# Altium PCB emg_version22.PcbDoc
Units mm, origin at the board's own origin, x right, y up, seen from the top; angles counter-clockwise.
Board outline 108.9 x 107.9 mm, 2 copper layers (Top Layer, Bottom Layer); 125 components, 76 nets, 424 pads, 74 vias.
Unrouted connection lines stored in the file: 91.
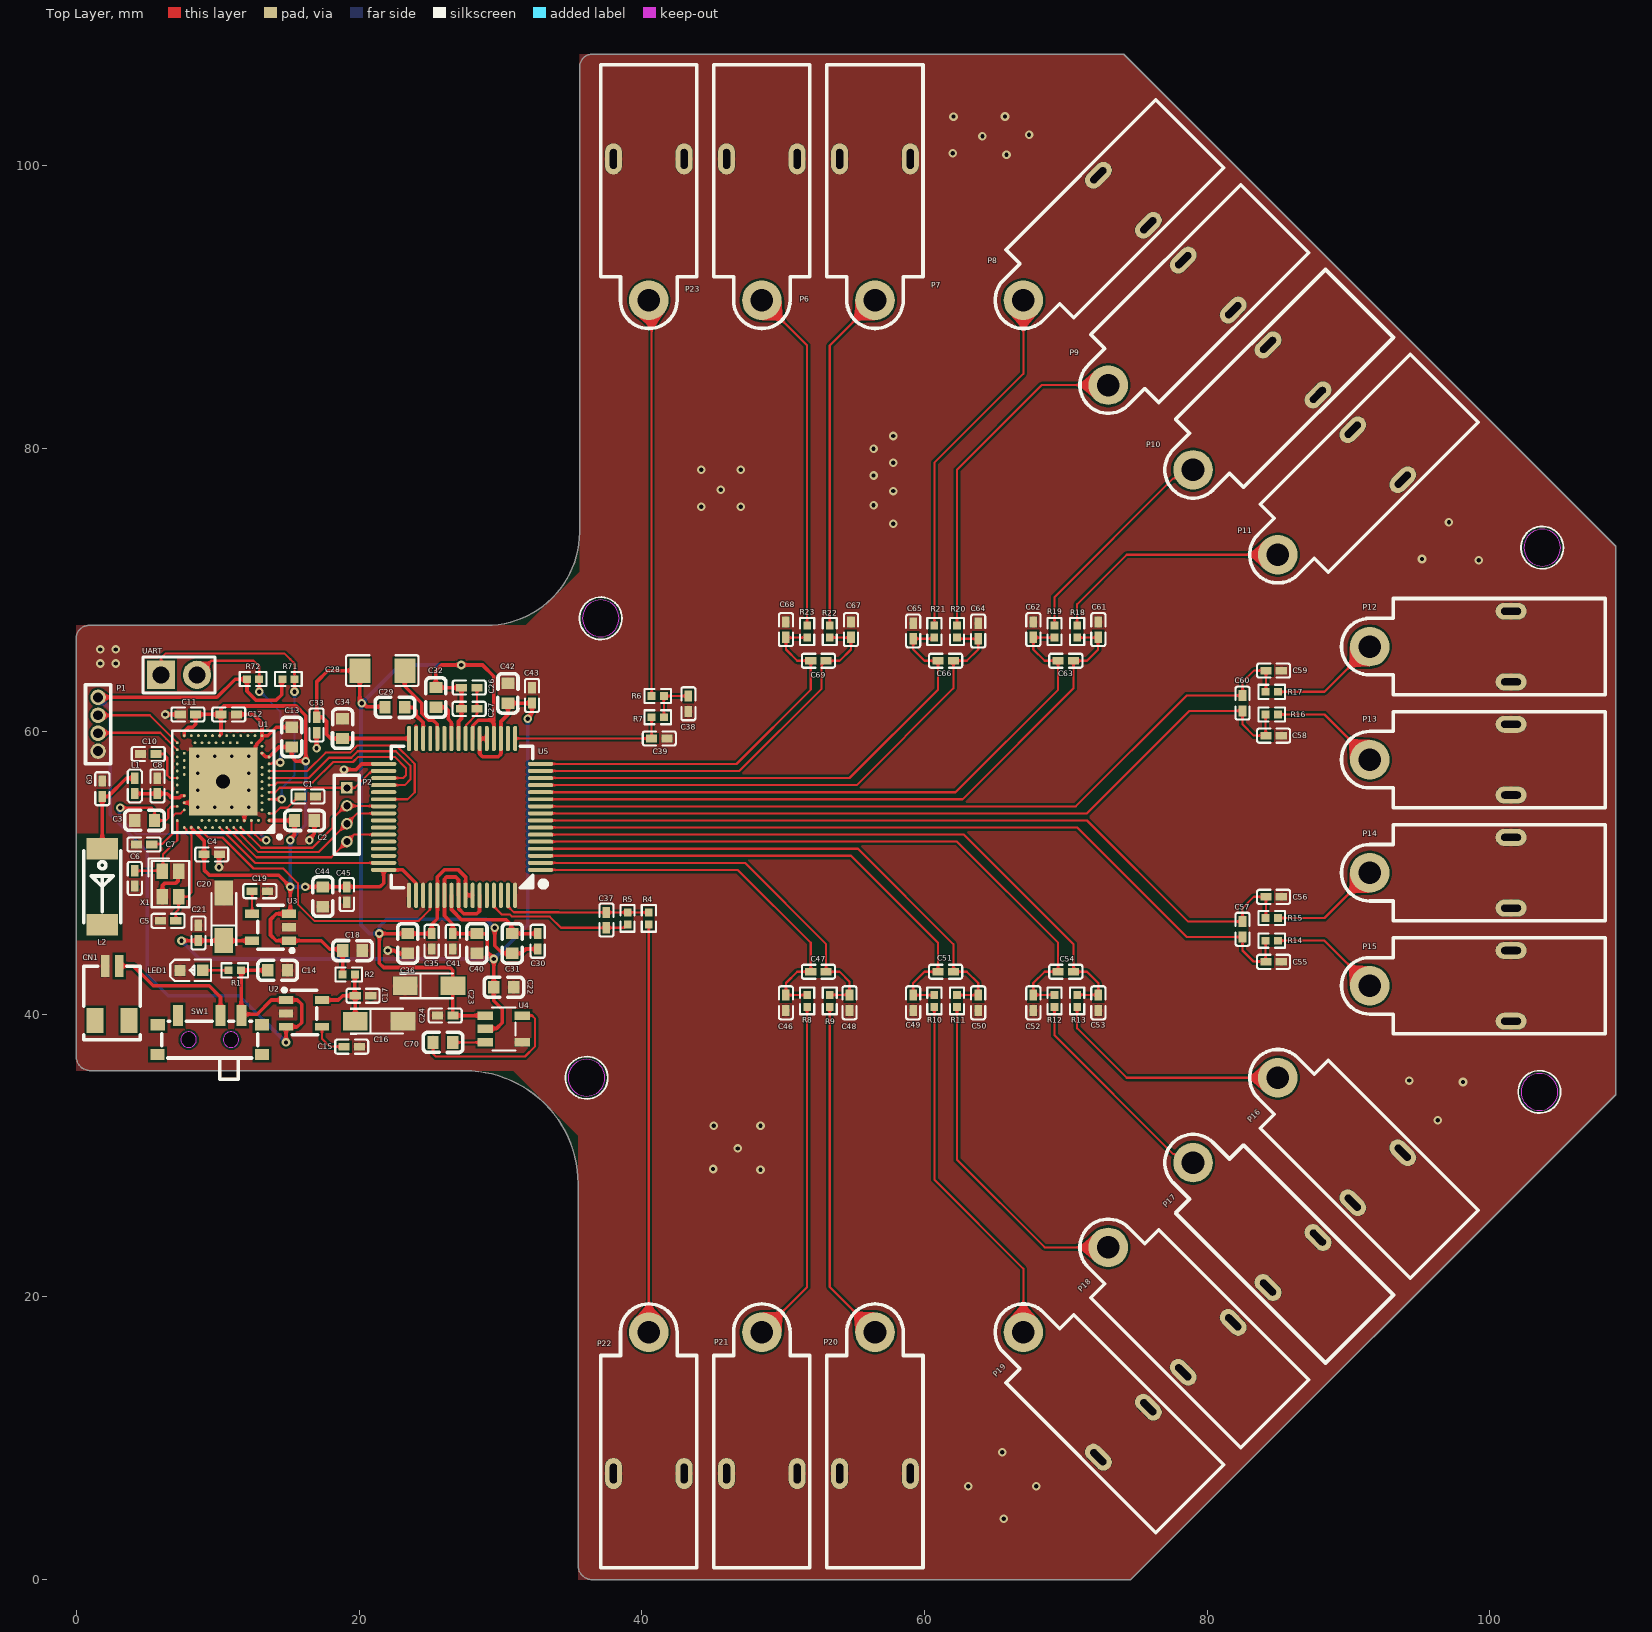
[diagram p0: Top Layer view]
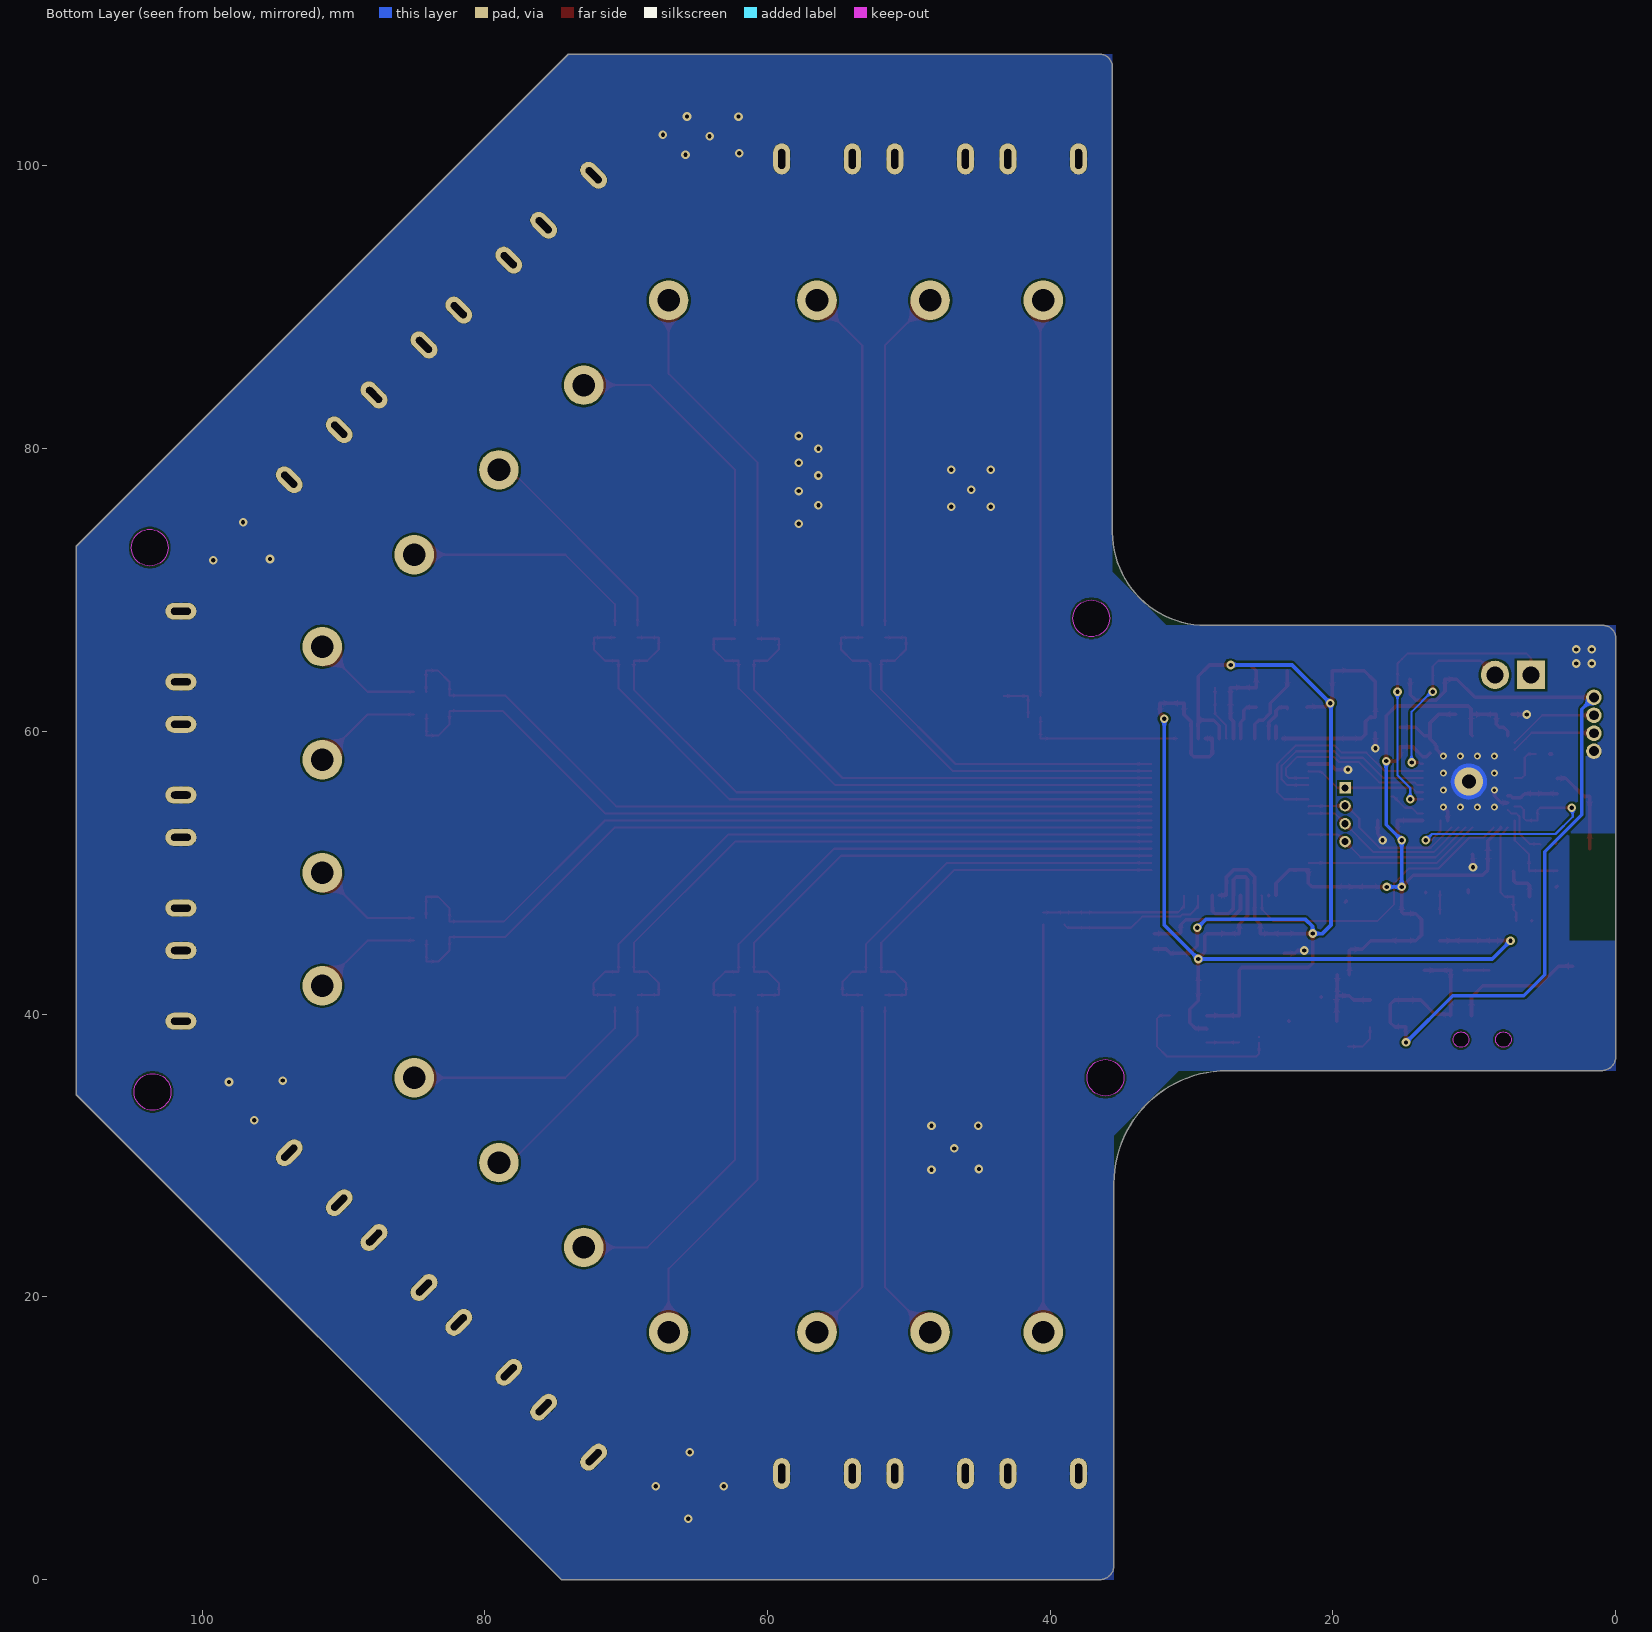
[diagram p1: Bottom Layer view, seen from below]

## Layer stack, top to bottom
Top Solder: solder mask 0.0102, Solder Resist, Dk 3.5
Top Layer: signal copper 0.0356
Dielectric 1: dielectric 0.32, FR-4, Dk 4.8
Bottom Layer: signal copper 0.0356
Bottom Solder: solder mask 0.0102, Solder Resist, Dk 3.5

## Board outline
1,36 27.5,36 cw(c27.5,28) 35.5,28 35.5,1 ccw(c36.5,1) 36.5,0 74.6,0 108.9,34.3 108.9,73.1 74.1,107.9 36.5,107.9 ccw(c36.5,107) 35.6,107 35.6,74.1 cw(c29,74.1) 29,67.5 0.9,67.5 ccw(c0.9,66.6) 0,66.6 0,37 ccw(c1,37)
cut-out: 102.2,34.5 ccw(c103.5,34.5) 103.5,33.2 ccw(c103.5,34.5) 104.8,34.5 ccw(c103.5,34.5) 103.5,35.8 ccw(c103.5,34.5)
cut-out: 102.4,73 ccw(c103.7,73) 103.7,71.7 ccw(c103.7,73) 105,73 ccw(c103.7,73) 103.7,74.3 ccw(c103.7,73)
cut-out: 35.8,68 ccw(c37.1,68) 37.1,66.7 ccw(c37.1,68) 38.4,68 ccw(c37.1,68) 37.1,69.3 ccw(c37.1,68)
cut-out: 34.8,35.5 ccw(c36.1,35.5) 36.1,34.2 ccw(c36.1,35.5) 37.4,35.5 ccw(c36.1,35.5) 36.1,36.8 ccw(c36.1,35.5)

## Design rules (kind name [scope] priority, off if disabled: settings)
Clearance [All] p1: gap=0.152 ignorepadtopadclearanceinfootprint=TRUE
PlaneClearance [All] p1: clearance=0.203
PlaneConnect [All] p1: planeconnectstyle=Direct reliefexpansion=0.508 reliefentries=4 reliefconductorwidth=0.254 reliefairgap=0.254
PolygonConnect PolygonConnect_9 [All vs IsNamedPolygon('GND_L01_P000')] p1: connectstyle=Relief reliefconductorwidth=0.254 reliefentries=4 polygonreliefangle="90 Angle" airgapwidth=0.254
PolygonConnect PolygonConnect_8 [All vs IsNamedPolygon('NONET_L02_P000')] p2: connectstyle=Relief reliefconductorwidth=0.254 reliefentries=4 polygonreliefangle="90 Angle" airgapwidth=0.254
PolygonConnect PolygonConnect_7 [All vs IsNamedPolygon('GND_L01_P001')] p3: connectstyle=Relief reliefconductorwidth=0.254 reliefentries=4 polygonreliefangle="90 Angle" airgapwidth=0.254
PolygonConnect PolygonConnect_6 [All vs IsNamedPolygon('GND_L01_P001')] p4: connectstyle=Relief reliefconductorwidth=0.254 reliefentries=4 polygonreliefangle="90 Angle" airgapwidth=0.254
PolygonConnect PolygonConnect_5 [All vs IsNamedPolygon('GND_L01_P001')] p5: connectstyle=Relief reliefconductorwidth=0.254 reliefentries=4 polygonreliefangle="90 Angle" airgapwidth=0.254
PolygonConnect PolygonConnect_4 [All vs IsNamedPolygon('GND_L01_P001')] p6: connectstyle=Direct reliefconductorwidth=0.254 reliefentries=4 polygonreliefangle="90 Angle" airgapwidth=0.254
PolygonConnect PolygonConnect_3 [All vs IsNamedPolygon('NONET_L02_P000')] p7: connectstyle=Direct reliefconductorwidth=0.254 reliefentries=4 polygonreliefangle="90 Angle" airgapwidth=0.254
PolygonConnect PolygonConnect_2 [All vs IsNamedPolygon('NONET_L02_P000')] p8: connectstyle=Direct reliefconductorwidth=0.254 reliefentries=4 polygonreliefangle="90 Angle" airgapwidth=0.254
PolygonConnect PolygonConnect_1 [All vs IsNamedPolygon('GND_L01_P001')] p9: connectstyle=Direct reliefconductorwidth=0.254 reliefentries=4 polygonreliefangle="90 Angle" airgapwidth=0.254
PolygonConnect [IsVia] p10: connectstyle=Direct reliefconductorwidth=0.254 reliefentries=4 polygonreliefangle="90 Angle" airgapwidth=0.254
RoutingVias [All] p1: holewidth=0.305 width=0.61 viastyle="Through Hole" minholewidth=0.305 minwidth=0.61 maxholewidth=0.305 maxwidth=0.61
SilkToSolderMaskClearance [IsPad] p1: minsilkscreentomaskgap=0.051 clearancetoexposedcopper=TRUE
SolderMaskExpansion [IsVia] p1: expansion=0.102 istentingtop=TRUE
Width Width_pwr [InNetClass('power')] p1: maxlimit=1.27 minlimit=0.254 preferedwidth=0.254
Width [All] p2: maxlimit=1.27 minlimit=0.152 preferedwidth=0.152
27 further rules are at their usual default settings.

## Classes and differential pairs
net class power: 2.5V_AVDD 3.3V_A 3.3V_D -2.5V_AVSS GND NetC8_1 NetCN1_2 RF VCAP1 VCAP2 VCAP3 VCAP4 VCC
component class emg_1023: C1 C2 C3 C4 C5 C6 C7 C8 C9 C10 C11 C13 C14 C15 C16 C17 C18 C19 C20 C21 C22 C23 C24 C26 C27 C28 C29 C30 C31 C33 C34 C35 C36 C40 C41 C42 C43 C44 C45 C70 CN1 L1 L2 LED1 R1 R2 R71 R72 SW1 U2 U3 U4 UART X1

## Components (designator, comment, footprint, x,y, rotation, side; value= is the part's Value field where it differs from the comment)
C1 "100nF" C0402_100NF 16.385,55.4 r180 top
C2 "1uF" C0603_1uF 16.14,53.7 r180 top
C3 "1uF" C0603_1uF 4.84,53.7 r0 top
C4 "100nF" ? 9.585,51.3 r180 top
C5 "12pF" C0402_12pF 6.495,46.6 r180 top
C6 "12pF" C0402_12pF 4.14,49.6 r270 top
C7 "100pF" C0402_100pF 4.795,52 r180 top
C8 "0.8pF" C0402_0.8pF 5.74,56.145 r90 top
C9 "0.5pF" C0402_0.5pF 1.84,55.945 r90 top
C10 "820pF" C0402_820pF 5.095,58.4 r0 top
C11 "100nF" C0402_100NF 7.895,61.2 r0 top
C12 "100nF" C0402_100NF 10.785,61.2 r180 top
C13 "4.7uF" C0603_4.7uF 15.24,59.6 r270 top
C14 "1uF" C0603_1uF 14.24,43.1 r180 top
C15 "470pF" C0402_470PF 19.485,37.7 r180 top
C16 "16uF/16V" tC10uF/16V 21.426,39.5 r0 top value=10uF
C17 "100nF" C0402_100NF 20.285,41.3 r180 top
C18 "1uF" C0603_1uF 19.54,44.5 r180 top
C19 "470pF" C0402_470PF 12.985,48.7 r180 top
C20 "16uF/16V" tC10uF/16V 10.44,46.886 r90 top value=10uF
C21 "100nF" C0402_100NF 8.64,45.745 r270 top
C22 "1uF" C0603_1uF 30.24,41.9 r180 top
C23 "16uF/16V" tC10uF/16V 24.954,42 r0 top value=10uF
C24 "100nF" C0402_100NF 26.095,39.9 r0 top
C26 "100nF" C0402_100NF 27.795,63.1 r180 top
C27 "10uF" C0402_10UF 27.795,61.6 r180 top
C28 "100uF" C1206_100uF 21.647,64.3 r180 top
C29 "1uF" C0603_1uF 22.54,61.7 r180 top
C30 "100nF" C0402_100NF 32.64,45.155 r270 top
C31 "1uF" C0603_1uF 30.84,45 r270 top
C32 "1uF" C0603_1uF 25.44,62.4 r90 top
C33 "100nF" C0402_100NF 17,60.455 r270 top
C34 "1uF" C0603_1uF 18.84,60.2 r90 top
C35 "100nF" C0402_100NF 25.14,45.155 r270 top
C36 "1uF" C0603_1uF 23.44,45 r270 top
C37 "10nF" C0402_10nF 37.5,46.655 r270 top
C38 "100nF" C0402_100NF 43.3,61.955 r90 top
C39 "100nF" C0402_100NF 41.245,59.5 r180 top
C40 "1uF" C0603_1uF 28.34,45 r270 top
C41 "100nF" C0402_100NF 26.64,45.155 r270 top
C42 "1uF" C0603_1uF 30.54,62.7 r90 top
C43 "100nF" C0402_100NF 32.24,62.545 r90 top
C44 "1uF" C0603_1uF 17.44,48.3 r270 top
C45 "100nF" C0402_100NF 19.14,48.455 r270 top
C46 "100nF" C0402_100NF 50.2,40.8 r270 top
C47 "100nF" C0402_100NF 52.5,43 r180 top
C48 "100nF" C0402_100NF 54.7,40.8 r270 top
C49 "100nF" C0402_100NF 59.2,40.8 r270 top
C50 "100nF" C0402_100NF 63.8,40.8 r270 top
C51 "100nF" C0402_100NF 61.5,43 r180 top
C52 "100nF" C0402_100NF 67.7,40.8 r270 top
C53 "100nF" C0402_100NF 72.3,40.8 r270 top
C54 "100nF" C0402_100NF 70,43 r180 top
C55 "100nF" C0402_100NF 84.7,43.7 r0 top
C56 "100nF" C0402_100NF 84.7,48.3 r0 top
C57 "100nF" C0402_100NF 82.5,46 r270 top
C58 "100nF" C0402_100NF 84.7,59.7 r0 top
C59 "100nF" C0402_100NF 84.7,64.3 r0 top
C60 "100nF" C0402_100NF 82.5,62 r270 top
C61 "100nF" C0402_100NF 72.3,67.2 r90 top
C62 "100nF" C0402_100NF 67.7,67.2 r90 top
C63 "100nF" C0402_100NF 70,65 r0 top
C64 "100nF" C0402_100NF 63.8,67.1 r90 top
C65 "100nF" C0402_100NF 59.2,67.1 r90 top
C66 "100nF" C0402_100NF 61.5,65 r0 top
C67 "100nF" C0402_100NF 54.8,67.2 r90 top
C68 "100nF" C0402_100NF 50.2,67.2 r90 top
C69 "100nF" C0402_100NF 52.5,65 r0 top
C70 "1uF" C0603_1uF 25.94,38 r180 top
CN1 "A1002WR-S-2P" CONN-SMD_A1002WR-S-2P 2.539,41.476 r0 top
L1 "4.7nH" L0402_4.7nH 4.14,56.145 r90 top
L2 "AN2051-245" ANT2051 1.84,49.01 r270 top
LED1 "XL-1608UBC-04" LED0603-RD_BLUE 8.141,43.097 r0 top
P1 "Jlink Debug-pin4" "jlink pin-4 - duplicate - duplicate" -41.005,80.698 r270 top
P2 "SPI_4Pin" SPI_4pin 61.685,33.912 r90 top
P6 "EEG_WireSocket_DIN1.5" holter 43.5,102 r90 top
P7 "EEG_WireSocket_DIN1.5" holter 51.5,102 r90 top
P8 "EEG_WireSocket_DIN1.5" holter 71.596,102.167 r45 top
P9 "EEG_WireSocket_DIN1.5" holter 77.596,96.167 r45 top
P10 "EEG_WireSocket_DIN1.5" holter 83.596,90.167 r45 top
P11 "EEG_WireSocket_DIN1.5" holter 89.596,84.167 r45 top
P12 "EEG_WireSocket_DIN1.5" holter 103,71 r0 top
P13 "EEG_WireSocket_DIN1.5" holter 103,63 r0 top
P14 "EEG_WireSocket_DIN1.5" holter 103,55 r0 top
P15 "EEG_WireSocket_DIN1.5" holter 103,47 r0 top
P16 "EEG_WireSocket_DIN1.5" holter 96.667,30.904 r315 top
P17 "EEG_WireSocket_DIN1.5" holter 90.667,24.904 r315 top
P18 "EEG_WireSocket_DIN1.5" holter 84.667,18.904 r315 top
P19 "EEG_WireSocket_DIN1.5" holter 78.667,12.904 r315 top
P20 "EEG_WireSocket_DIN1.5" holter 61.5,6 r270 top
P21 "EEG_WireSocket_DIN1.5" holter 53.5,6 r270 top
P22 "EEG_WireSocket_DIN1.5" holter 45.5,6 r270 top
P23 "EEG_WireSocket_DIN1.5" holter 35.5,102 r90 top
R1 "1k" R0402_1K 11.207,43.1 r180 top value=1kΩ
R2 "0" R0402_0 19.273,42.8 r0 top value=0Ω
R4 "100k" R0402_100k 40.5,46.767 r90 top value=100kΩ
R5 "392k" R0402_392k 39,46.767 r270 top value=392kΩ
R6 "2k" R0402_2k 41.133,62.5 r0 top value=2kΩ
R7 "2k" R0402_2k 41.133,61 r180 top value=2kΩ
R8 "2k" R0402_2k 51.7,40.933 r90 top value=2kΩ
R9 "2k" R0402_2k 53.3,40.933 r90 top value=2kΩ
R10 "2k" R0402_2k 60.7,40.933 r90 top value=2kΩ
R11 "2k" R0402_2k 62.3,40.933 r90 top value=2kΩ
R12 "2k" R0402_2k 69.2,40.933 r90 top value=2kΩ
R13 "2k" R0402_2k 70.8,40.933 r90 top value=2kΩ
R14 "2k" R0402_2k 84.567,45.2 r180 top value=2kΩ
R15 "2k" R0402_2k 84.567,46.8 r180 top value=2kΩ
R16 "2k" R0402_2k 84.567,61.2 r180 top value=2kΩ
R17 "2k" R0402_2k 84.567,62.8 r180 top value=2kΩ
R18 "2k" R0402_2k 70.8,67.067 r270 top value=2kΩ
R19 "2k" R0402_2k 69.2,67.067 r270 top value=2kΩ
R20 "2k" R0402_2k 62.3,67.067 r270 top value=2kΩ
R21 "2k" R0402_2k 60.7,67.067 r270 top value=2kΩ
R22 "2k" R0402_2k 53.3,67.067 r270 top value=2kΩ
R23 "2k" R0402_2k 51.7,67.067 r270 top value=2kΩ
R71 "1k" R0402_1K 15.007,63.7 r0 top value=1kΩ
R72 "1k" R0402_1K 12.507,63.7 r0 top value=1kΩ
SW1 "SWITCH" SW-SMD_MSS3-V-T-R 9.45,38.525 r0 top
U1 "NRF52840_QIAA WITH LOGO" "NRF52840_QIAA WITH LOGO" 10.559,56.319 r180 top
U2 "MIC5219-3.3YM5-TR" SOT-23-5_L3.0-W1.7-P0.95-LS2.8-TL 16.111,40.05 r0 top
U3 "MIC5205-2.5YM5-TR" +2.5_SOT-23-5_L3.0-W1.7-P0.95-LS2.8-BR 13.74,46.15 r0 top
U4 "TPS60400DBVT" -2.5_SOT-23-5_L2.9-W1.6-P0.95-LS2.8-TL 30.24,38.95 r0 top
U5 "ADS1299IPAG" TQFP-64_L10.0-W10.0-P0.50-LS12.0-TL 27.29,53.95 r180 top
UART "UART" uart 7.524,61.675 r0 top
X1 "X201632MKB4SI" CRYSTAL-SMD_4P-L2.0-W1.6-BL 6.665,49.2 r270 top value=32MHz

## Footprints (in the part's own frame and the unit in brackets; to place one, negate y for a bottom-side part, rotate by r counter-clockwise, add the part's x,y. Pads: shape width x height; smd on the part's side, far side on the other; paste and mask are expansions set on the pad)
+2.5_SOT-23-5_L3.0-W1.7-P0.95-LS2.8-BR [mm]
  rect 1x0.6 smd: 1(1.3,-0.95) 2(1.3,0) 3(1.3,0.95) 4(-1.3,0.95) 5(-1.3,-0.95)
  silkscreen extent -0.9,-1.78 1.65,1.55
-2.5_SOT-23-5_L2.9-W1.6-P0.95-LS2.8-TL [mm]
  rect 1.1x0.6 smd paste+0 mask+0.05: 1(-1.3,0.95) 2(-1.3,0) 3(-1.3,-0.95) 4(1.3,-0.95) 5(1.3,0.95)
  silkscreen extent -0.81,-1.51 0.82,1.51
ANT2051 [mm]
  rect 1.5x2.2 smd: 1(-2.69,0) 2(2.69,0)
  silkscreen extent -2.56,-1.3 2.55,1.3
C0402_0.5pF [mm]
  rect 0.79x0.54 smd paste-100 mask+0.051: 1(-0.545,0) 2(0.545,0)
  silkscreen extent -1.17,-0.5 1.17,0.5
C0402_0.8pF [mm]
  rect 0.79x0.54 smd paste-100 mask+0.051: 1(-0.545,0) 2(0.545,0)
  silkscreen extent -1.17,-0.5 1.17,0.5
C0402_10nF [mm]
  rect 0.79x0.54 smd paste-100 mask+0.051: 1(-0.545,0) 2(0.545,0)
  silkscreen extent -1.17,-0.5 1.17,0.5
C0402_10UF [mm]
  rect 0.79x0.54 smd paste-100 mask+0.051: 1(-0.545,0) 2(0.545,0)
  silkscreen extent -1.17,-0.5 1.17,0.5
C0402_12pF [mm]
  rect 0.79x0.54 smd paste-100 mask+0.051: 1(-0.545,0) 2(0.545,0)
  silkscreen extent -1.17,-0.5 1.17,0.5
C0402_100NF [mm]
  rect 0.79x0.54 smd paste-100 mask+0.051: 1(-0.545,0) 2(0.545,0)
  silkscreen extent -1.17,-0.5 1.17,0.5
C0402_100pF [mm]
  rect 0.79x0.54 smd paste-100 mask+0.051: 1(-0.545,0) 2(0.545,0)
  silkscreen extent -1.17,-0.5 1.17,0.5
C0402_470PF [mm]
  rect 0.79x0.54 smd paste-100 mask+0.051: 1(-0.545,0) 2(0.545,0)
  silkscreen extent -1.17,-0.5 1.17,0.5
C0402_820pF [mm]
  rect 0.79x0.54 smd paste-100 mask+0.051: 1(-0.545,0) 2(0.545,0)
  silkscreen extent -1.17,-0.5 1.17,0.5
C0603_1uF [mm]
  rect 0.8x0.9 smd: 1(-0.7,0) 2(0.7,0)
  silkscreen extent -1.41,-0.71 1.39,0.72
C0603_4.7uF [mm]
  rect 0.8x0.9 smd: 1(-0.7,0) 2(0.7,0)
  silkscreen extent -1.41,-0.71 1.39,0.72
C1206_100uF [mm]
  rect 1.485x1.728 smd paste-100 mask+0.051: 1(-1.593,0) 2(1.593,0)
  silkscreen extent -2.56,-1.09 2.56,1.09
CONN-SMD_A1002WR-S-2P [mm]
  rect 0.6x1.55 smd: 1(-0.498,1.924) 2(0.501,1.924)
  rect 1.2x1.8 smd: 3(1.201,-1.924) 4(-1.201,-1.924)
  silkscreen extent -2,-3.27 2,1.92
CRYSTAL-SMD_4P-L2.0-W1.6-BL [mm]
  rect 1.1x0.8 smd: 1(-0.9,-0.575) 2(0.9,-0.575) 3(0.9,0.575) 4(-0.9,0.575)
  silkscreen extent -1.82,-1.56 1.64,1.33
holter [mm]
  round 2.8 hole 1.6: 1(-11.5,-5)
  oval 2.2x1.2 hole 0.5 slot 1.4 at 0 deg paste+0: 2(-1.5,-2.5) 3(-1.5,-7.5)
  silkscreen extent -13.5,-8.4 5.15,-1.6
"jlink pin-4 - duplicate - duplicate" [mm]
  round 1.1 hole 0.7 mask+0.07: GND(22.098,42.545) SWDCLK(20.828,42.545) SWDIO(19.558,42.545) VCC(18.288,42.545)
  silkscreen extent 17.4,41.66 22.99,43.43
L0402_4.7nH [mm]
  rect 0.79x0.54 smd paste-100 mask+0.051: 1(-0.545,0) 2(0.545,0)
  silkscreen extent -1.17,-0.5 1.17,0.5
LED0603-RD_BLUE [mm]
  rect 0.8x0.8 smd: 1(-0.8,-0.004) 2(0.799,0.003)
  silkscreen extent -1.49,-0.75 1.39,0.76
"NRF52840_QIAA WITH LOGO" [mm]
  rect 4.83x4.83 smd paste+0.102 mask+0.102: 74(0.169,-0.131)
  round 0.2 smd paste+0 mask+0.102: A8(-1.081,3.119) A10(-0.581,3.119) A12(-0.081,3.119) A14(0.419,3.119) A16(0.919,3.119) A18(1.419,3.119) A20(1.919,3.119) A22(2.419,3.119) A23(2.919,3.119) AA24(3.419,-2.381) AB2(-2.581,-2.631) AC5(-1.831,-2.881) AC9(-0.831,-2.881) AC11(-0.331,-2.881) AC13(0.169,-2.881) AC15(0.669,-2.881) AC17(1.169,-2.881) AC19(1.669,-2.881) AC21(2.169,-2.881) AC24(3.419,-2.881) AD2(-2.581,-3.381) AD4(-2.081,-3.381) AD6(-1.581,-3.381) AD8(-1.081,-3.381) AD10(-0.581,-3.381) AD12(-0.081,-3.381) AD14(0.419,-3.381) AD16(0.919,-3.381) AD18(1.419,-3.381) AD20(1.919,-3.381) AD22(2.419,-3.381) AD23(2.919,-3.381) B1(-3.081,2.619) B3(-2.331,2.619) B5(-1.831,2.619) B7(-1.331,2.619) B9(-0.831,2.619) B11(-0.331,2.619) B13(0.169,2.619) B15(0.669,2.619) B17(1.169,2.619) B19(1.669,2.619) B24(3.419,2.619) C1(-3.081,2.119) D2(-2.581,1.869) D23(2.919,1.869) E24(3.419,1.619) F2(-2.581,1.369) F23(2.919,1.369) G1(-3.081,1.119) H2(-2.581,0.869) H23(2.919,0.869) J1(-3.081,0.619) J24(3.419,0.619) K2(-2.581,0.369) L1(-3.081,0.119) L24(3.419,0.119) M2(-2.581,-0.131) N1(-3.081,-0.381) N24(3.419,-0.381) P2(-2.581,-0.631) P23(2.919,-0.631) R1(-3.081,-0.881) R24(3.419,-0.881) T2(-2.581,-1.131) T23(2.919,-1.131) U1(-3.081,-1.381) U24(3.419,-1.381) V23(2.919,-1.631) W1(-3.081,-1.881) W24(3.419,-1.881) Y2(-2.581,-2.131) Y23(2.919,-2.131)
  Bottom Layer region: 1.439,-0.131 1.342,-0.617 1.067,-1.029 0.655,-1.304 0.169,-1.401 0.169,-1.401 -0.317,-1.304 -0.729,-1.029 -1.004,-0.617 -1.101,-0.131 -1.101,-0.131 -1.004,0.355 -0.729,0.767 -0.317,1.043 0.169,1.139 0.169,1.139 0.655,1.043 1.067,0.767 1.342,0.355 1.439,-0.131
  silkscreen extent -3.94,-3.73 3.77,3.91
R0402_0 [mm]
  rect 0.566x0.54 smd paste-100 mask+0.051: 1(-0.433,0) 2(0.433,0)
  silkscreen extent -0.94,-0.5 0.94,0.5
R0402_1K [mm]
  rect 0.566x0.54 smd paste-100 mask+0.051: 1(-0.433,0) 2(0.433,0)
  silkscreen extent -0.94,-0.5 0.94,0.5